# Altium PCB PCB.PcbDoc (part 1 of 5)
Units mm, origin at the board's own origin, x right, y up, seen from the top; angles counter-clockwise.
Board outline 68 x 45 mm, 4 copper layers (Component Side, Ground Layer, Power Layer, Solder Side), stack 0.856 mm thick; 113 components, 124 nets, 534 pads, 247 vias.
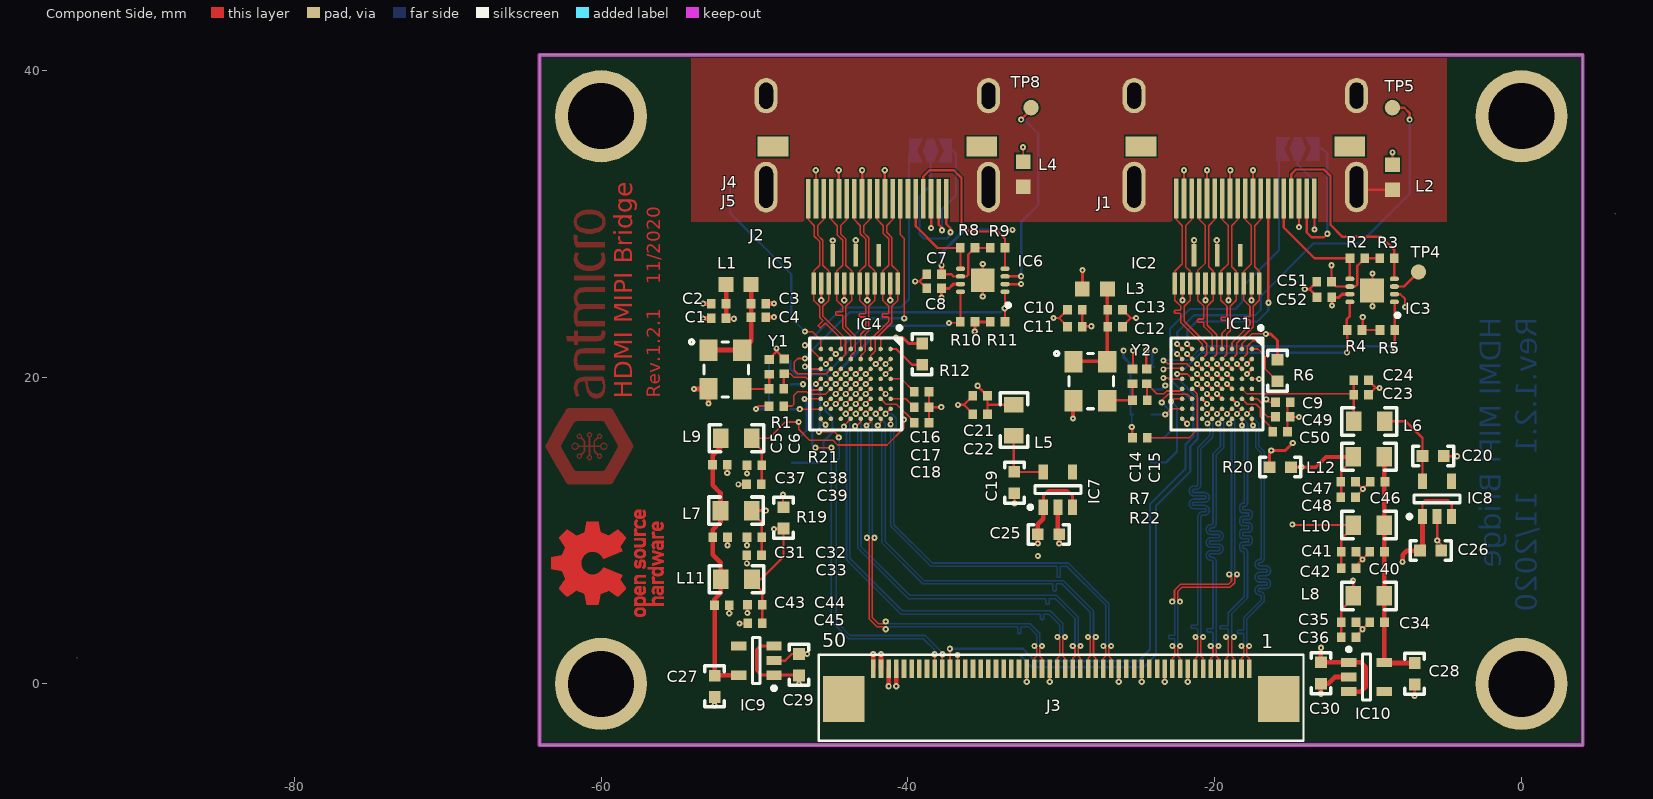
[diagram p0: Component Side view]
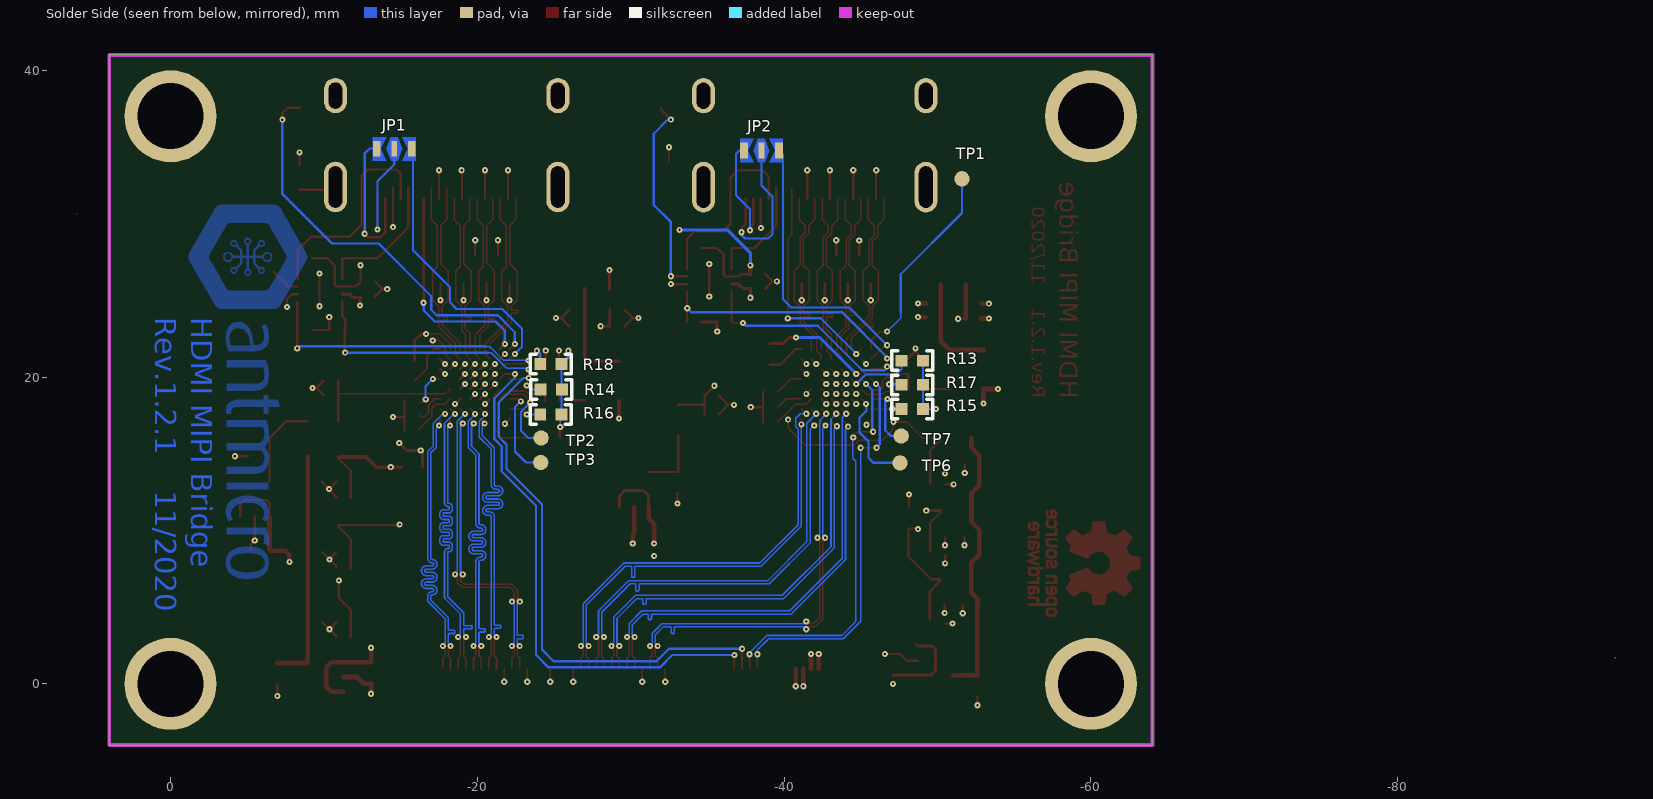
[diagram p1: Solder Side view, seen from below]
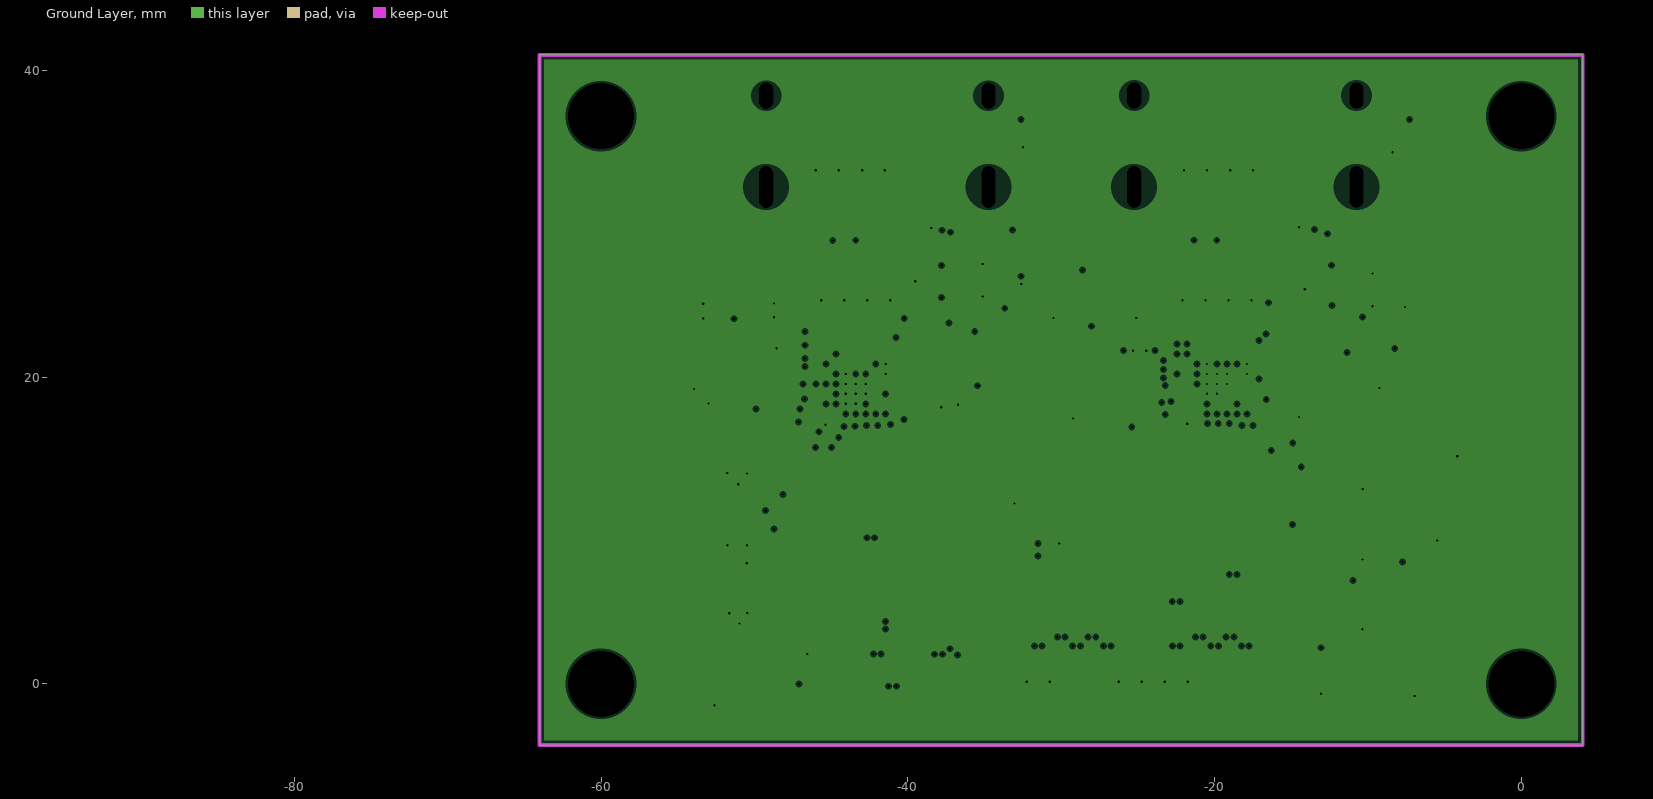
[diagram p2: Ground Layer, clearances drawn from the general rule]
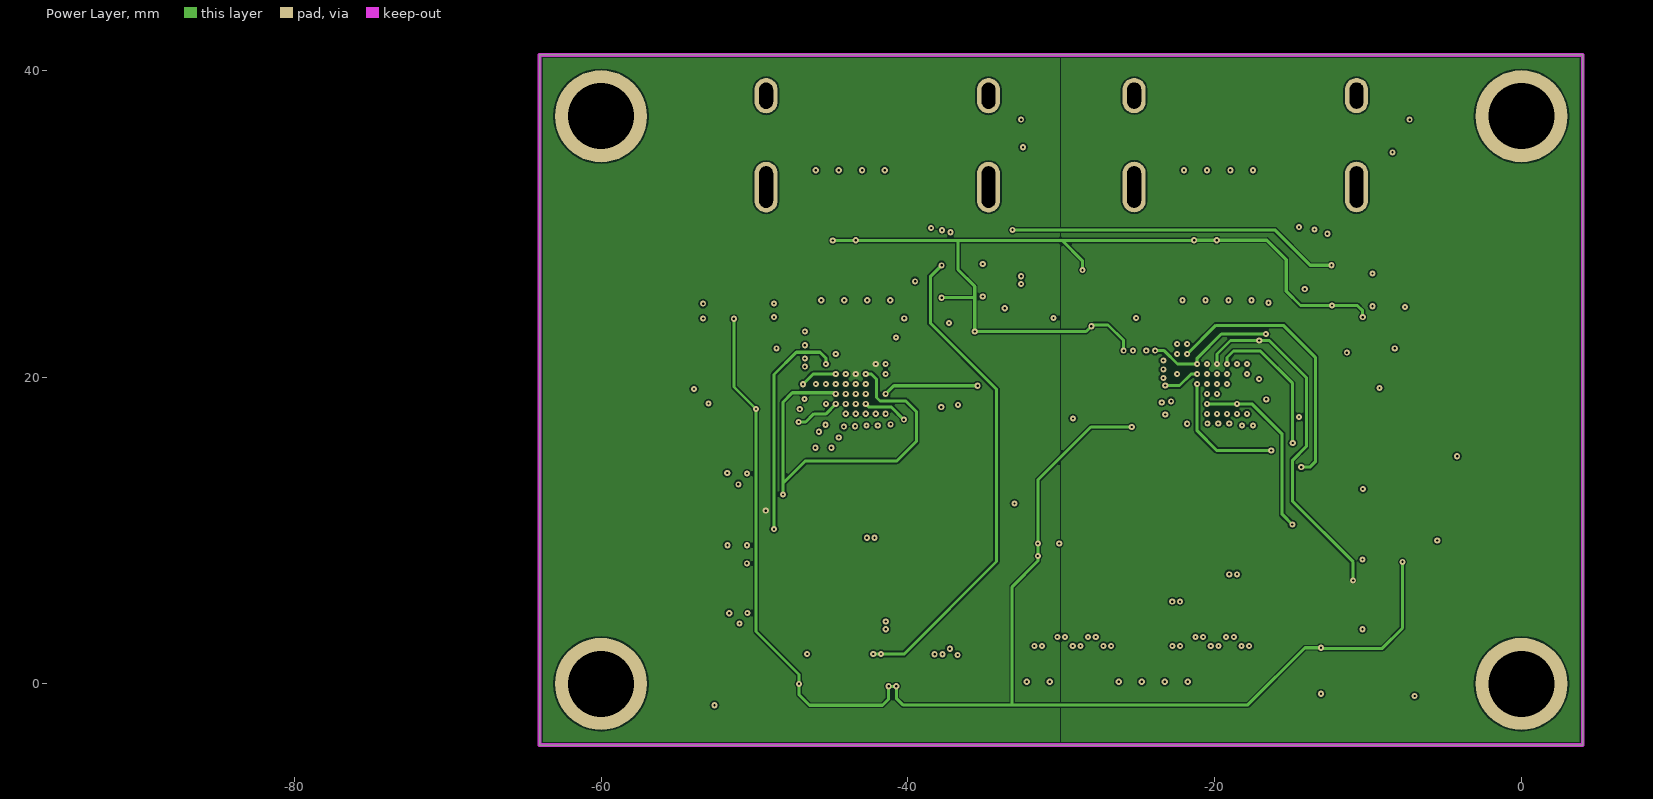
[diagram p3: Power Layer]
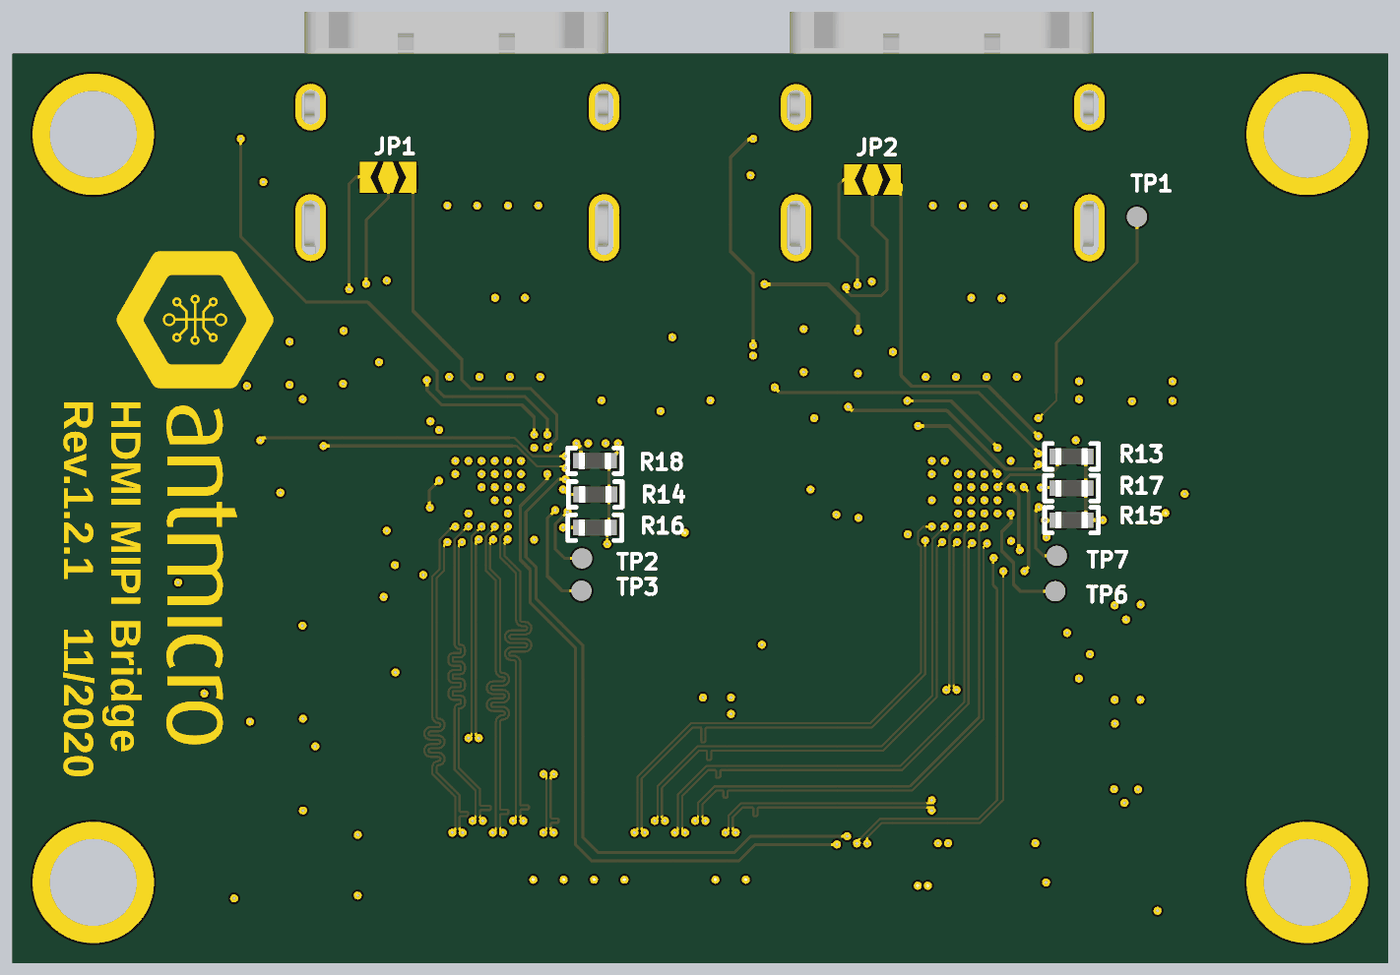
[diagram p8: 3D render of the assembled board from below, using the file's embedded part models]

## Layer stack, top to bottom
Top Solder: solder mask 0.0102, Solder Resist, Dk 3.5
Component Side: signal copper 0.036
Dielectric 1: core 0.254, Dk 4.2
Ground Layer: plane copper 0.018, net GND
Dielectric 3: prepreg 0.24, Dk 4.2
Power Layer: signal copper 0.018
Dielectric 6: core 0.254, Dk 4.2
Solder Side: signal copper 0.036
Bottom Solder: solder mask 0.0102, Solder Resist, Dk 3.5

## Board outline
-64,-4 4,-4 4,41 -64,41

## Design rules (kind name [scope] priority, off if disabled: settings)
Clearance [All] p1: gap=0.102
DiffPairsRouting DiffPairs_Z100 [InNetClass('Z_100')] p1: maxlimit=0.105 minlimit=0.105 mostfreqgap=0.105 toplayer_minwidth=0.105 toplayer_maxwidth=0.105 toplayer_prefwidth=0.105 midlayer2_minwidth=0.105 midlayer2_maxwidth=0.105 midlayer2_prefwidth=0.105 bottomlayer_minwidth=0.105 bottomlayer_maxwidth=0.105 bottomlayer_prefwidth=0.105 maxuncoupledlength=12.7
HoleSize [All] p1: absolutevalues=TRUE maxlimit=5 minlimit=0.15 maxpercent=80.000 minpercent=20.000
HoleSize HoleSize_Z100_1 [InNetClass('Z_100')] p2: absolutevalues=TRUE maxlimit=0.15 minlimit=0.15 maxpercent=80.000 minpercent=20.000
HoleSize HoleSizeVias [IsVia] p3: absolutevalues=TRUE maxlimit=0.15 minlimit=0.15 maxpercent=80.000 minpercent=20.000
MinimumSolderMaskSliver [All] p1: minsoldermaskwidth=0
PlaneClearance [All] p1: clearance=0.15
PlaneConnect [All] p1: planeconnectstyle=Direct reliefexpansion=0.4 reliefentries=4 reliefconductorwidth=0.2 reliefairgap=0.2
PolygonConnect [All] p1: connectstyle=Direct reliefconductorwidth=0.15 reliefentries=4 polygonreliefangle="90 Angle" airgapwidth=0.15
RoutingVias RoutingVias_Z_100 [InNetClass('Z_100')] p1: holewidth=0.15 width=0.4 viastyle="Through Hole" minholewidth=0.15 minwidth=0.4 maxholewidth=0.15 maxwidth=0.4
RoutingVias [All] p2: holewidth=0.15 width=0.4 viastyle="Through Hole" minholewidth=0.15 minwidth=0.4 maxholewidth=0.15 maxwidth=0.4
SilkToBoardRegionClearance [All] p1 off:
SilkToSilkClearance [All] p1: silktosilkclearance=0.15
SilkToSolderMaskClearance [IsPad] p1: minsilkscreentomaskgap=0.076 clearancetoexposedcopper=TRUE
SolderMaskExpansion ViaTenting [isVia] p1: expansion=-0.4
SolderMaskExpansion [All] p2: expansion=0.102
Width [All] p1: maxlimit=0.5 minlimit=0.005 preferedwidth=0.254 toplayer_prefwidth=0.152 midlayer2_minwidth=0.105 bottomlayer_minwidth=0.105 bottomlayer_prefwidth=0.152 minimp=50.000000 maximp=50.000000 favimp=50.000000
Width Width_Z100 [InNetClass('Z_100')] p2: maxlimit=0.105 minlimit=0.105 preferedwidth=0.105 minimp=50.000000 maximp=50.000000 favimp=50.000000
21 further rules are at their usual default settings.

## Classes and differential pairs
component class InputChannel_1: C1 C2 C3 C4 C5 C6 C7 C8 C16 C17 C18 IC4 IC5 IC6 J2 J4 JP2 L1 L4 R1 R8 R9 R10 R11 R12 R21 TP1 TP6 TP7 TP8 Y1
component class InputChannel_2: C9 C10 C11 C12 C13 C14 C15 C49 C50 C51 C52 IC1 IC2 IC3 J1 J5 JP1 L2 L3 R2 R3 R4 R5 R6 R7 R22 TP2 TP3 TP4 TP5 Y2
component class InterfaceConnector: C19 C20 C21 C22 C23 C24 C25 C26 C27 C28 C29 C30 C31 C32 C33 C34 C35 C36 C37 C38 C39 C40 C41 C42 C43 C44 C45 C46 C47 C48 IC7 IC8 IC9 IC10 J3 L5 L6 L7 L8 L9 L10 L11 L12 R13 R14 R15 R16 R17 R18 R19 R20
net class Z_100: CSI1_CLK_N CSI1_CLK_P CSI1_D1_N CSI1_D1_P CSI1_D2_N CSI1_D2_P CSI1_D3_N CSI1_D3_P CSI1_D4_N CSI1_D4_P CSI2_CLK_N CSI2_CLK_P CSI2_D1_N CSI2_D1_P CSI3_CLK_N CSI3_CLK_P CSI3_D1_N CSI3_D1_P CSI3_D2_N CSI3_D2_P CSI3_D3_N CSI3_D3_P CSI3_D4_N CSI3_D4_P HDMI1_CLK_N HDMI1_CLK_P HDMI1_D0_N HDMI1_D0_P HDMI1_D1_N HDMI1_D1_P HDMI1_D2_N HDMI1_D2_P HDMI2_CLK_N HDMI2_CLK_P HDMI2_D0_N HDMI2_D0_P HDMI2_D1_N HDMI2_D1_P HDMI2_D2_N HDMI2_D2_P
differential pair CSI1_CLK: +CSI1_CLK_P -CSI1_CLK_N
differential pair CSI1_D1: +CSI1_D1_P -CSI1_D1_N
differential pair CSI1_D2: +CSI1_D2_P -CSI1_D2_N
differential pair CSI1_D3: +CSI1_D3_P -CSI1_D3_N
differential pair CSI1_D4: +CSI1_D4_P -CSI1_D4_N
differential pair CSI3_CLK: +CSI3_CLK_P -CSI3_CLK_N
differential pair CSI3_D1: +CSI3_D1_P -CSI3_D1_N
differential pair CSI3_D2: +CSI3_D2_P -CSI3_D2_N
differential pair CSI3_D3: +CSI3_D3_P -CSI3_D3_N
differential pair CSI3_D4: +CSI3_D4_P -CSI3_D4_N
differential pair HDMI1_CLK: +HDMI1_CLK_P -HDMI1_CLK_N
differential pair HDMI1_D0: +HDMI1_D0_P -HDMI1_D0_N
differential pair HDMI1_D1: +HDMI1_D1_P -HDMI1_D1_N
differential pair HDMI1_D2: +HDMI1_D2_P -HDMI1_D2_N
differential pair HDMI2_CLK: +HDMI2_CLK_P -HDMI2_CLK_N
differential pair HDMI2_D0: +HDMI2_D0_P -HDMI2_D0_N
differential pair HDMI2_D1: +HDMI2_D1_P -HDMI2_D1_N
differential pair HDMI2_D2: +HDMI2_D2_P -HDMI2_D2_N
differential pair CSI2_CLK: +CSI2_CLK_P -CSI2_CLK_N
differential pair CSI2_D1: +CSI2_D1_P -CSI2_D1_N

## Components (designator, comment, footprint, x,y, rotation, side; value= is the part's Value field where it differs from the comment)
C1 "100n" 0402 -52.327,23.818 r0 top
C2 "47p" 0402 -52.327,24.783 r0 top
C3 "47p" 0402 -49.736,24.79 r180 top
C4 "100n" 0402 -49.736,23.901 r180 top
C5 "47p" 0402 -49.032,20.668 r270 top
C6 "47p" 0402 -48.042,20.693 r270 top
C7 "100n" 0402 -38.288,26.713 r0 top
C8 "100n" 0402 -38.288,25.773 r180 top
C9 "100n" 0402 -15.545,18.364 r180 top
C10 "100n" 0402 -29.106,24.384 r0 top
C11 "47p" 0402 -29.106,23.292 r0 top
C12 "47p" 0402 -26.49,23.292 r180 top
C13 "100n" 0402 -26.49,24.384 r180 top
C14 "47p" 0402 -25.353,20.042 r270 top
C15 "47p" 0402 -24.414,20.042 r270 top
C16 "100n" 0402 -39.101,19.042 r180 top
C17 "100n" 0402 -39.101,18.026 r180 top
C18 "100n" 0402 -39.101,17.01 r180 top
C19 "10u" 0603#1 -33.06,13.12 r90 top
C20 "10u" 0603#1 -5.756,14.847 r180 top
C21 "4u7" 0402 -35.281,18.771 r0 top
C22 "470p" 0402 -35.281,17.577 r0 top
C23 "4u7" 0402 -10.455,18.835 r180 top
C24 "470p" 0402 -10.455,19.774 r180 top
C25 "10u" 0603#1 -30.826,9.741 r180 top
C26 "10u" 0603#1 -5.918,8.687 r180 top
C27 "10u" 0603#1 -52.593,-0.164 r90 top
C28 "10u" 0603#1 -6.96,0.66 r90 top
C29 "10u" 0603#1 -47.092,1.245 r270 top
C30 "10u" 0603#1 -13.071,0.699 r90 top
C31 "100n" 0402 -52.238,9.562 r180 top
C32 "4u7" 0402 -50.003,9.562 r0 top
C33 "470p" 0402 -50.013,8.382 r0 top
C34 "100n" 0402 -9.413,4.026 r0 top
C35 "4u7" 0402 -11.268,4.026 r180 top
C36 "470p" 0402 -11.268,3.036 r180 top
C37 "100n" 0402 -52.248,14.275 r180 top
C38 "4u7" 0402 -50.003,14.236 r0 top
C39 "470p" 0402 -50.038,13.005 r0 top
C40 "100n" 0402 -9.413,8.598 r0 top
C41 "4u7" 0402 -11.268,8.598 r180 top
C42 "470p" 0402 -11.268,7.532 r180 top
C43 "100n" 0402 -52.121,5.131 r180 top
C44 "4u7" 0402 -49.977,5.144 r0 top
C45 "470p" 0402 -49.962,3.937 r0 top
C46 "100n" 0402 -9.373,13.183 r0 top
C47 "4u7" 0402 -11.303,13.183 r180 top
C48 "470p" 0402 -11.303,12.167 r180 top
C49 "100n" 0402 -15.545,17.424 r180 top
C50 "100n" 0402 -15.723,16.434 r180 top
C51 "100n" 0402 -12.857,26.209 r0 top
C52 "100n" 0402 -12.852,25.197 r180 top
IC1 "TC358743XBG" TC358743XBG -19.842,19.55 r270 top locked
IC2 "TPD8S009" SON-15 -19.842,27.018 r180 top
IC3 "PCA9517ATP" PCA9517ATP -9.732,25.647 r90 top
IC4 "TC358743XBG" TC358743XBG -43.394,19.55 r270 top locked
IC5 "TPD8S009" SON-15 -43.394,27.018 r180 top
IC6 "PCA9517ATP" PCA9517ATP -35.113,26.307 r90 top
IC7 "TLV73325PDBVT" SOT23-5N -30.215,12.662 r90 top
IC8 "TLV73325PDBVT" SOT23-5N -5.502,12.053 r90 top
IC9 "TLV73312PDBVT" SOT23-5N -49.876,1.513 r180 top
IC10 "TLV73312PDBVT" SOT23-5N -10.099,0.445 r0 top
J1 "" Molex_HDMI_471511001 -17.997,34.988 r180 top locked
J2 "" Molex_HDMI_471511001 -41.987,34.978 r180 top locked
J3 "68715014522" 68715014522_FLIPPED -30,0 r0 top locked
J4 "Molex-505110-1992" CON-Molex-505110-1992 -41.987,33.673 r0 top locked
J5 "Molex-505110-1992" CON-Molex-505110-1992 -17.997,33.682 r0 top
JP1 "JUMPER_2WAY" JUMPER_2WAY -14.58,34.874 r180 bottom
JP2 "JUMPER_2WAY" JUMPER_2WAY -38.517,34.765 r180 bottom
L1 "BLM18AG601SN1D" 0603#2 -51.031,26.027 r0 top
L2 "BLM18SG121TN1D" 0603#2 -8.407,33.02 r270 top
L3 "BLM18AG601SN1D" 0603#2 -27.81,25.73 r0 top
L4 "BLM18SG121TN1D" 0603#2 -32.472,33.215 r270 top
L5 "742792096" 0805 -33.086,16.169 r90 top
L6 "742792096" 0805 -8.905,17.107 r180 top
L7 "742792096" 0805 -52.212,11.29 r0 top
L8 "742792096" 0805 -8.931,5.728 r180 top
L9 "742792096" 0805 -52.197,16.002 r0 top
L10 "742792096" 0805 -8.931,10.351 r180 top
L11 "742792096" 0805 -52.187,6.82 r0 top
L12 "742792096" 0805 -8.931,14.796 r180 top
R1 "22R" 0402 -48.565,19.223 r0 top
R2 "10k" 0402 -10.693,27.737 r0 top
R3 "10k" 0402 -8.763,27.737 r180 top
R4 "10k" 0402 -10.875,23.065 r0 top
R5 "10k" 0402 -8.742,23.065 r180 top
R6 "2k" 0603#1 -15.9,20.422 r90 top
R7 "22R" 0402 -24.871,18.493 r0 top
R8 "10k" 0402 -36.104,28.415 r0 top
R9 "10k" 0402 -34.148,28.415 r180 top
R10 "10k" 0402 -36.104,23.589 r0 top
R11 "10k" 0402 -34.148,23.589 r180 top
R12 "2k" 0603#1 -39.065,21.488 r90 top
R13 "0R" 0603#1 -48.352,21.07 r0 bottom
R14 "0R" 0603#1 -24.814,19.192 r0 bottom
R15 "0R" 0603#1 -48.352,17.92 r0 bottom
R16 "0R" 0603#1 -24.79,17.551 r0 bottom
R17 "0R" 0603#1 -48.352,19.495 r0 bottom
R18 "0R" 0603#1 -24.79,20.853 r0 bottom
R19 "0R" 0603#1 -48.108,10.82 r90 top
R20 "0R" 0603#1 -15.723,14.122 r180 top
R21 "10k" 0402 -48.565,18.11 r180 top
R22 "10k" 0402 -24.871,16.053 r180 top
TP1 "Testpad" TP-R-1 -51.587,32.918 r90 bottom
TP2 "Testpad" TP-R-1 -24.155,16.027 r90 bottom
TP3 "Testpad" TP-R-1 -24.13,14.427 r90 bottom
TP4 "Testpad" TP-R-1 -6.706,26.848 r90 top
TP5 "Testpad" TP-R-1 -8.412,37.559 r90 top
TP6 "Testpad" TP-R-1 -47.549,14.402 r90 bottom
TP7 "Testpad" TP-R-1 -47.625,16.154 r90 bottom
TP8 "Testpad" TP-R-1 -31.964,37.559 r90 top
Y1 "27MHz" TXC_7C -51.895,20.49 r270 top
Y2 "27MHz" TXC_7C -28.097,19.73 r270 top

## Footprints (in the part's own frame and the unit in brackets; to place one, negate y for a bottom-side part, rotate by r counter-clockwise, add the part's x,y. Pads: shape width x height; smd on the part's side, far side on the other; paste and mask are expansions set on the pad)
0402 [mm]
  rect 0.57x0.62 smd: 1(-0.48,0) 2(0.48,0)
  body extent -0.55,-0.3 0.55,0.3, height 0.5
0603#1 [mil]
  rect 30x30 smd: 1(-27.5,0) 2(27.5,0)
  silkscreen extent -53,-25 52,25, body extent -30,-15 30,15, height 31
0603#2 [mil] "Chip Inductor Ferrite Bead 0603"
  rect 38.19x37.8 smd: 1(-32.09,0) 2(32.09,0)
  body extent -34,-19 34,19, height 24
0805 [mil]
  rect 40x50 smd: 1(0,0) 2(80,0)
  silkscreen extent -30,-35 110,35, body extent 0,-23 79,25, height 37
68715014522_FLIPPED [mm] "50 pins"
  rect 0.3x1.2 smd: 1(12.25,0.99) 2(11.75,0.99) 3(11.25,0.99) 4(10.75,0.99) 5(10.25,0.99) 6(9.75,0.99) 7(9.25,0.99) 8(8.75,0.99) 9(8.25,0.99) 10(7.75,0.99) 11(7.25,0.99) 12(6.75,0.99) 13(6.25,0.99) 14(5.75,0.99) 15(5.25,0.99) 16(4.75,0.99) 17(4.25,0.99) 18(3.75,0.99) 19(3.25,0.99) 20(2.75,0.99) 21(2.25,0.99) 22(1.75,0.99) 23(1.25,0.99) 24(0.75,0.99) 25(0.25,0.99) 26(-0.25,0.99) 27(-0.75,0.99) 28(-1.25,0.99) 29(-1.75,0.99) 30(-2.25,0.99) 31(-2.75,0.99) 32(-3.25,0.99) 33(-3.75,0.99) 34(-4.25,0.99) 35(-4.75,0.99) 36(-5.25,0.99) 37(-5.75,0.99) 38(-6.25,0.99) 39(-6.75,0.99) 40(-7.25,0.99) 41(-7.75,0.99) 42(-8.25,0.99) 43(-8.75,0.99) 44(-9.25,0.99) 45(-9.75,0.99) 46(-10.25,0.99) 47(-10.75,0.99) 48(-11.25,0.99) 49(-11.75,0.99) 50(-12.25,0.99)
  rect 2.7x3 smd: M(-14.18,-0.99) M(14.18,-0.99)
  silkscreen extent -15.8,-3.71 15.8,1.89, body extent -15.7,-3.71 15.7,1.39, height 2.06
CON-Molex-505110-1992 [mm]
  rect 0.3x1 smd: 1(-4.5,-1.35) 2(-4,-1.35) 3(-3.5,-1.35) 4(-3,-1.35) 5(-2.5,-1.35) 6(-2,-1.35) 7(-1.5,-1.35) 8(-1,-1.35) 9(-0.5,-1.35) 10(0,-1.35) 11(0.5,-1.35) 12(1,-1.35) 13(1.5,-1.35) 14(2,-1.35) 15(2.5,-1.35) 16(3,-1.35) 17(3.5,-1.35) 18(4,-1.35) 19(4.5,-1.35)
  rect 2x1.3 smd: M(-6.8,1.35) M(6.8,1.35)
  body extent -7.44,-1.63 7.56,3.67, height 1.91
JUMPER_2WAY [mil]
  rect 20x40 smd paste-10: 1(-45,0) 3(45,0)
  rect 15x40 smd paste-10: 2(0,0)
  Component Side region: -55,30 -20,30 -35,0 -20,-30 -55,-30
  Component Side region: 55,-30 20,-30 35,0 20,30 55,30
  Component Side region: -9,30 -20,0 -8,-30 9,-30 20,0 9,30
Molex_HDMI_471511001 [mm] "HEADER, RIGHT ANGLE, HDMI"
  rect 0.3x2.6 smd: 1(4.5,3.36) 2(4,3.36) 3(3.5,3.36) 4(3,3.36) 5(2.5,3.36) 6(2,3.36) 7(1.5,3.36) 8(1,3.36) 9(0.5,3.36) 10(0,3.36) 11(-0.5,3.36) 12(-1,3.36) 13(-1.5,3.36) 14(-2,3.36) 15(-2.5,3.36) 16(-3,3.36) 17(-3.5,3.36) 18(-4,3.36) 19(-4.5,3.36)
  oval 1.5x2.3 hole 0.9 slot 1.7 at 90 deg: S(-7.25,-3.36) S(7.25,-3.36)
  oval 1.5x3.3 hole 0.9 slot 2.7 at 90 deg: S(-7.25,2.6) S(7.25,2.6)
  body extent -7.55,-8.08 7.45,4.07, height 6.28
PCA9517ATP [mm]
  oval 0.3x0.6 smd: 1(-0.75,-1.45) 2(-0.25,-1.45) 3(0.25,-1.45) 4(0.75,-1.45) 5(0.75,1.45) 6(0.25,1.45) 7(-0.25,1.45) 8(-0.75,1.45)
  rect 1.55x1.55 smd: 9(0,0)
  silkscreen extent -1.75,-1.78 -1.5,-1.53, body extent -1.05,-1.55 1.05,1.55, height 0.75
SON-15 [mm]
  rect 0.3x1.45 smd: 1(2.75,0.925) 2(2.25,0.925) 3(1.75,0.925) 4(1.25,0.925) 5(0.75,0.925) 6(0.25,0.925) 7(-0.25,0.925) 8(-0.75,0.925) 9(-1.25,0.925) 10(-1.75,0.925) 11(-2.25,0.925) 12(-2.75,0.925) 13(1.5,-0.925) 14(0,-0.925) 15(-1.5,-0.925)
  body extent -3.3,-1.3 3.3,1.3, height 0.8
SOT23-5N [mm] "SOT23, 5-Leads, Body 2,90x2,70mm, Pitch 0,95mm, IPC Medium Density"
  rect 1x0.6 smd: 1(-1.15,0.95) 2(-1.15,0) 3(-1.15,-0.95) 4(1.15,-0.95) 6(1.15,0.95)
  silkscreen extent -1.27,-1.5 0.25,1.92, body extent -1.19,-1.46 1.21,1.44, height 1.1
TC358743XBG [mm]
  round 0.3 smd mask+0: A1(-2.275,2.275) A2(-1.625,2.275) A3(-0.975,2.275) A4(-0.325,2.275) A5(0.325,2.275) A6(0.975,2.275) A7(1.625,2.275) A8(2.275,2.275) B1(-2.275,1.625) B2(-1.625,1.625) B3(-0.975,1.625) B4(-0.325,1.625) B5(0.325,1.625) B6(0.975,1.625) B7(1.625,1.625) B8(2.275,1.625) C1(-2.275,0.975) C2(-1.625,0.975) C3(-0.975,0.975) C4(-0.325,0.975) C5(0.325,0.975) C6(0.975,0.975) C7(1.625,0.975) C8(2.275,0.975) D1(-2.275,0.325) D2(-1.625,0.325) D3(-0.975,0.325) D4(-0.325,0.325) D5(0.325,0.325) D6(0.975,0.325) D7(1.625,0.325) D8(2.275,0.325) E1(-2.275,-0.325) E2(-1.625,-0.325) E3(-0.975,-0.325) E4(-0.325,-0.325) E5(0.325,-0.325) E6(0.975,-0.325) E7(1.625,-0.325) E8(2.275,-0.325) F1(-2.275,-0.975) F2(-1.625,-0.975) F3(-0.975,-0.975) F4(-0.325,-0.975) F5(0.325,-0.975) F6(0.975,-0.975) F7(1.625,-0.975) F8(2.275,-0.975) G1(-2.275,-1.625) G2(-1.625,-1.625) G3(-0.975,-1.625) G4(-0.325,-1.625) G5(0.325,-1.625) G6(0.975,-1.625) G7(1.625,-1.625) G8(2.275,-1.625) H1(-2.275,-2.275) H2(-1.625,-2.275) H3(-0.975,-2.275) H4(-0.325,-2.275) H5(0.325,-2.275) H6(0.975,-2.275) H7(1.625,-2.275) H8(2.275,-2.275)
  silkscreen extent -3.77,-3 3,3, body extent -3,-3 3,3, height 1.2
TP-R-1 [mm]
  round 1 smd: 1(0,0)
TXC_7C [mm] "TXC 7C series oscillator"
  rect 1.4x1.2 smd: 1(-1.27,-1.1) 2(1.27,-1.1) 3(1.27,1.1) 4(-1.27,1.1)
  silkscreen extent -1.94,-2.34 1.8,1.5, body extent -2.5,-1.6 2.5,1.6, height 0.9
